# EAGLE board working (EAGLE 7.5.0), part 3 of 8
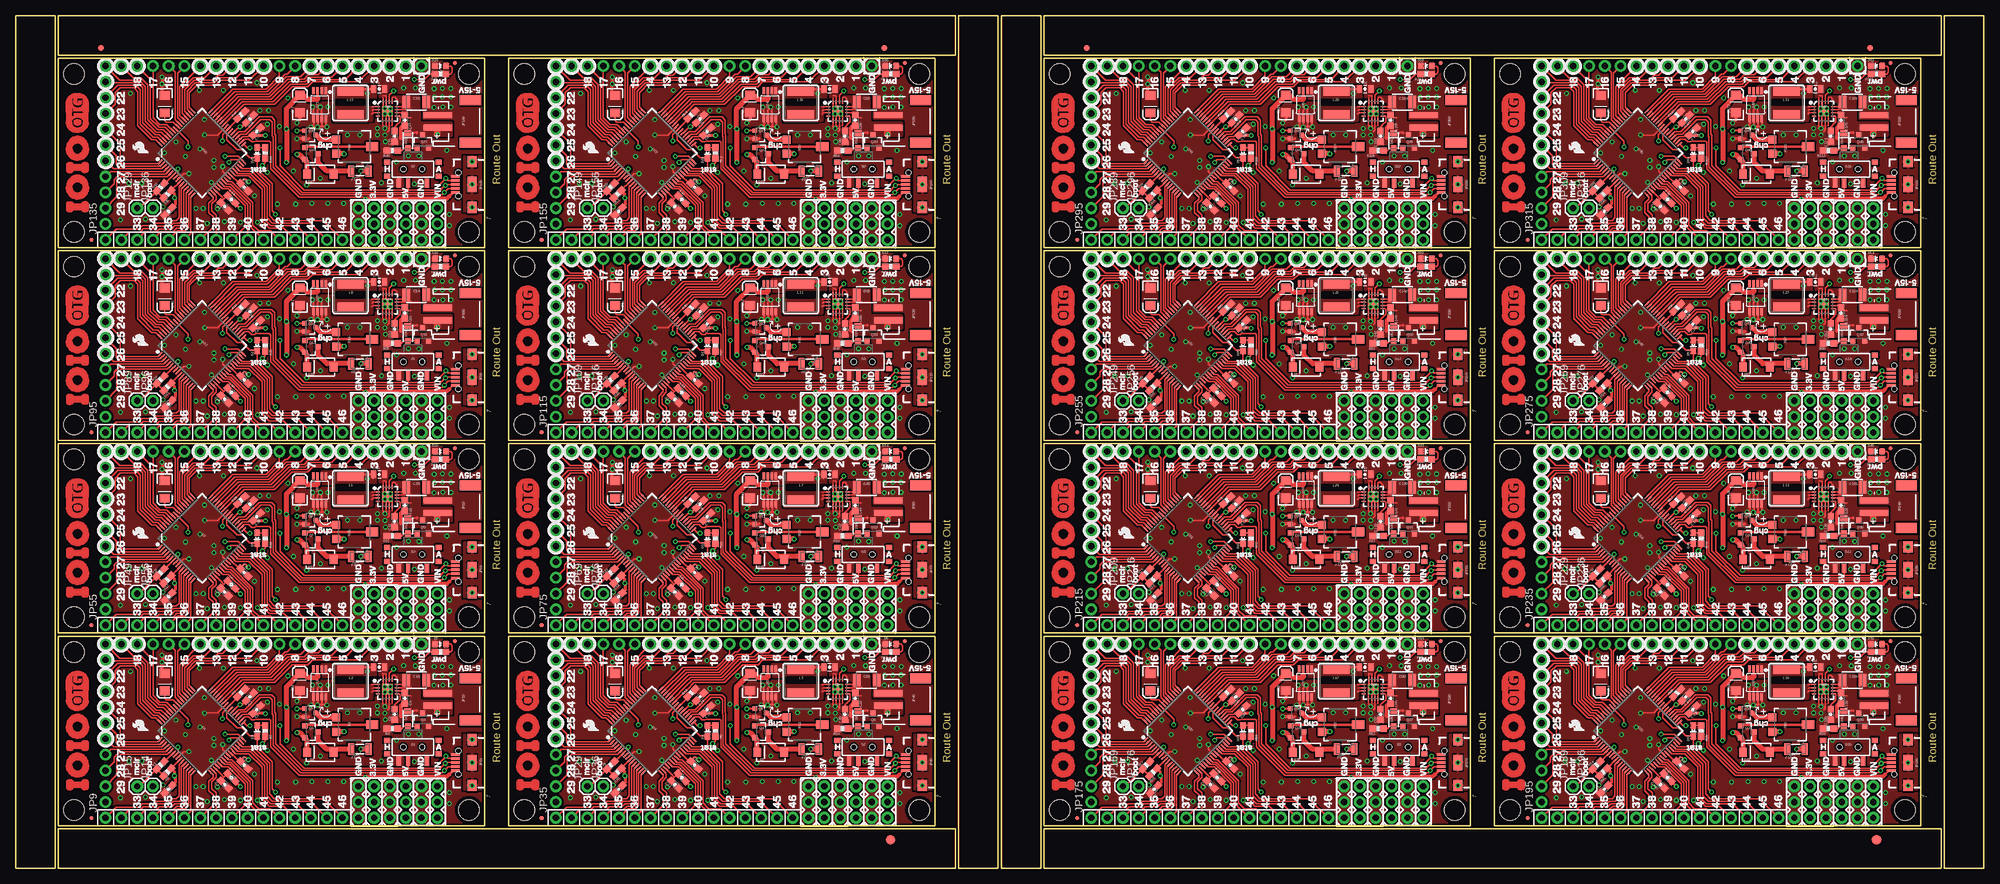
[diagram p0: board, top side]
## Nets
3.3V: C2.1 C3.1 C4.1 C5.1 C10.A JP2.1 JP2.2 JP2.3 L1.2 R1.2 R7.2 U1.10 U1.26 U1.35 U1.38 U1.57 U3.3
3.3V1: C13.1 C14.1 C15.1 C17.1 C18.A JP18.1 JP18.2 JP18.3 L4.2 R5.2 R6.2 U4.10 U4.26 U4.35 U4.38 U4.57 U6.3
3.3V2: C24.1 C25.1 C26.1 C28.1 C29.A JP41.1 JP41.2 JP41.3 L6.2 R15.2 R16.2 U7.10 U7.26 U7.35 U7.38 U7.57 U9.3
3.3V3: C35.1 C36.1 C37.1 C39.1 C40.A JP61.1 JP61.2 JP61.3 L8.2 R22.2 R23.2 U10.10 U10.26 U10.35 U10.38 U10.57 U12.3
3.3V4: C46.1 C47.1 C48.1 C50.1 C51.A JP81.1 JP81.2 JP81.3 L10.2 R29.2 R30.2 U13.10 U13.26 U13.35 U13.38 U13.57 U15.3
3.3V5: C57.1 C58.1 C59.1 C61.1 C62.A JP101.1 JP101.2 JP101.3 L12.2 R36.2 R37.2 U16.10 U16.26 U16.35 U16.38 U16.57 U18.3
3.3V6: C68.1 C69.1 C70.1 C72.1 C73.A JP121.1 JP121.2 JP121.3 L14.2 R43.2 R44.2 U19.10 U19.26 U19.35 U19.38 U19.57 U21.3
3.3V7: C79.1 C80.1 C81.1 C83.1 C84.A JP141.1 JP141.2 JP141.3 L16.2 R50.2 R51.2 U22.10 U22.26 U22.35 U22.38 U22.57 U24.3
3.3V8: C90.1 C91.1 C92.1 C94.1 C95.A JP161.1 JP161.2 JP161.3 L18.2 R57.2 R58.2 U25.10 U25.26 U25.35 U25.38 U25.57 U27.3
3.3V9: C101.1 C102.1 C103.1 C105.1 C106.A JP181.1 JP181.2 JP181.3 L20.2 R64.2 R65.2 U28.10 U28.26 U28.35 U28.38 U28.57 U30.3
3.3V10: C112.1 C113.1 C114.1 C116.1 C117.A JP201.1 JP201.2 JP201.3 L22.2 R71.2 R72.2 U31.10 U31.26 U31.35 U31.38 U31.57 U33.3
3.3V11: C123.1 C124.1 C125.1 C127.1 C128.A JP221.1 JP221.2 JP221.3 L24.2 R78.2 R79.2 U34.10 U34.26 U34.35 U34.38 U34.57 U36.3
3.3V12: C134.1 C135.1 C136.1 C138.1 C139.A JP241.1 JP241.2 JP241.3 L26.2 R85.2 R86.2 U37.10 U37.26 U37.35 U37.38 U37.57 U39.3
3.3V13: C145.1 C146.1 C147.1 C149.1 C150.A JP261.1 JP261.2 JP261.3 L28.2 R92.2 R93.2 U40.10 U40.26 U40.35 U40.38 U40.57 U42.3
3.3V14: C156.1 C157.1 C158.1 C160.1 C161.A JP281.1 JP281.2 JP281.3 L30.2 R99.2 R100.2 U43.10 U43.26 U43.35 U43.38 U43.57 U45.3
3.3V15: C167.1 C168.1 C169.1 C171.1 C172.A JP301.1 JP301.2 JP301.3 L32.2 R106.2 R107.2 U46.10 U46.26 U46.35 U46.38 U46.57 U48.3
5V: C6.1 D1.C JP4.1 JP4.2 JP4.3 L2.P$2 Q1.2 R3.A R9.2 U2.14 U3.1 U3.2
5V1: C19.1 D7.C JP23.1 JP23.2 JP23.3 L3.P$2 Q4.2 R11.2 R13.A U5.14 U6.1 U6.2
5V2: C30.1 D11.C JP43.1 JP43.2 JP43.3 L5.P$2 Q7.2 R18.2 R20.A U8.14 U9.1 U9.2
5V3: C41.1 D15.C JP63.1 JP63.2 JP63.3 L7.P$2 Q10.2 R25.2 R27.A U11.14 U12.1 U12.2
5V4: C52.1 D19.C JP83.1 JP83.2 JP83.3 L9.P$2 Q13.2 R32.2 R34.A U14.14 U15.1 U15.2
5V5: C63.1 D23.C JP103.1 JP103.2 JP103.3 L11.P$2 Q16.2 R39.2 R41.A U17.14 U18.1 U18.2
5V6: C74.1 D27.C JP123.1 JP123.2 JP123.3 L13.P$2 Q19.2 R46.2 R48.A U20.14 U21.1 U21.2
5V7: C85.1 D31.C JP143.1 JP143.2 JP143.3 L15.P$2 Q22.2 R53.2 R55.A U23.14 U24.1 U24.2
5V8: C96.1 D35.C JP163.1 JP163.2 JP163.3 L17.P$2 Q25.2 R60.2 R62.A U26.14 U27.1 U27.2
5V9: C107.1 D39.C JP183.1 JP183.2 JP183.3 L19.P$2 Q28.2 R67.2 R69.A U29.14 U30.1 U30.2
5V10: C118.1 D43.C JP203.1 JP203.2 JP203.3 L21.P$2 Q31.2 R74.2 R76.A U32.14 U33.1 U33.2
5V11: C129.1 D47.C JP223.1 JP223.2 JP223.3 L23.P$2 Q34.2 R81.2 R83.A U35.14 U36.1 U36.2
5V12: C140.1 D51.C JP243.1 JP243.2 JP243.3 L25.P$2 Q37.2 R88.2 R90.A U38.14 U39.1 U39.2
5V13: C151.1 D55.C JP263.1 JP263.2 JP263.3 L27.P$2 Q40.2 R95.2 R97.A U41.14 U42.1 U42.2
5V14: C162.1 D59.C JP283.1 JP283.2 JP283.3 L29.P$2 Q43.2 R102.2 R104.A U44.14 U45.1 U45.2
5V15: C173.1 D63.C JP303.1 JP303.2 JP303.3 L31.P$2 Q46.2 R109.2 R111.A U47.14 U48.1 U48.2
ANCHOR1: JP21.SHIELD1 JP21.SHIELD2 JP21.SHIELD3
ANCHOR2: JP39.SHIELD1 JP39.SHIELD2 JP39.SHIELD3
ANCHOR3: JP59.SHIELD1 JP59.SHIELD2 JP59.SHIELD3
ANCHOR4: JP79.SHIELD1 JP79.SHIELD2 JP79.SHIELD3
ANCHOR5: JP99.SHIELD1 JP99.SHIELD2 JP99.SHIELD3
ANCHOR6: JP119.SHIELD1 JP119.SHIELD2 JP119.SHIELD3
ANCHOR7: JP139.SHIELD1 JP139.SHIELD2 JP139.SHIELD3
ANCHOR8: JP159.SHIELD1 JP159.SHIELD2 JP159.SHIELD3
ANCHOR9: JP179.SHIELD1 JP179.SHIELD2 JP179.SHIELD3
ANCHOR10: JP199.SHIELD1 JP199.SHIELD2 JP199.SHIELD3
ANCHOR11: JP219.SHIELD1 JP219.SHIELD2 JP219.SHIELD3
ANCHOR12: JP239.SHIELD1 JP239.SHIELD2 JP239.SHIELD3
ANCHOR13: JP259.SHIELD1 JP259.SHIELD2 JP259.SHIELD3
ANCHOR14: JP279.SHIELD1 JP279.SHIELD2 JP279.SHIELD3
ANCHOR15: JP299.SHIELD1 JP299.SHIELD2 JP299.SHIELD3
ANCHOR16: JP319.SHIELD1 JP319.SHIELD2 JP319.SHIELD3
BOOT: D3.C JP14.1 U1.39
BOOT1: D4.C JP36.1 U4.39
BOOT2: D9.C JP56.1 U7.39
BOOT3: D13.C JP76.1 U10.39
BOOT4: D17.C JP96.1 U13.39
BOOT5: D21.C JP116.1 U16.39
BOOT6: D25.C JP136.1 U19.39
BOOT7: D29.C JP156.1 U22.39
BOOT8: D33.C JP176.1 U25.39
BOOT9: D37.C JP196.1 U28.39
BOOT10: D41.C JP216.1 U31.39
BOOT11: D45.C JP236.1 U34.39
BOOT12: D49.C JP256.1 U37.39
BOOT13: D53.C JP276.1 U40.39
BOOT14: D57.C JP296.1 U43.39
BOOT15: D61.C JP316.1 U46.39
D+: JP21.D+1 TP2.P$1 U1.37
D+1: JP39.D+1 TP5.P$1 U4.37
D+2: JP59.D+1 TP8.P$1 U7.37
D+3: JP79.D+1 TP11.P$1 U10.37
D+4: JP99.D+1 TP14.P$1 U13.37
D+5: JP119.D+1 TP17.P$1 U16.37
D+6: JP139.D+1 TP20.P$1 U19.37
D+7: JP159.D+1 TP23.P$1 U22.37
D+8: JP179.D+1 TP26.P$1 U25.37
D+9: JP199.D+1 TP29.P$1 U28.37
D+10: JP219.D+1 TP32.P$1 U31.37
D+11: JP239.D+1 TP35.P$1 U34.37
D+12: JP259.D+1 TP38.P$1 U37.37
D+13: JP279.D+1 TP41.P$1 U40.37
D+14: JP299.D+1 TP44.P$1 U43.37
D+15: JP319.D+1 TP47.P$1 U46.37
D-: JP21.D-1 TP3.P$1 U1.36
D-1: JP39.D-1 TP6.P$1 U4.36
D-2: JP59.D-1 TP9.P$1 U7.36
D-3: JP79.D-1 TP12.P$1 U10.36
D-4: JP99.D-1 TP15.P$1 U13.36
D-5: JP119.D-1 TP18.P$1 U16.36
D-6: JP139.D-1 TP21.P$1 U19.36
D-7: JP159.D-1 TP24.P$1 U22.36
D-8: JP179.D-1 TP27.P$1 U25.36
D-9: JP199.D-1 TP30.P$1 U28.36
D-10: JP219.D-1 TP33.P$1 U31.36
D-11: JP239.D-1 TP36.P$1 U34.36
D-12: JP259.D-1 TP39.P$1 U37.36
D-13: JP279.D-1 TP42.P$1 U40.36
D-14: JP299.D-1 TP45.P$1 U43.36
D-15: JP319.D-1 TP48.P$1 U46.36
GND: C1.2 C2.2 C3.2 C4.2 C5.2 C6.2 C7.C C8.2 C9.2 C10.C C11.2 D5.C JP3.1 JP5.1 JP5.2 JP5.3 JP6.1 JP6.2 JP6.3 JP17.1 JP17.2 JP17.3 JP19.1 JP21.GND1 Q2.2 Q3.2 R2.2 R4.2 S1.S U1.9 U1.20 U1.25 U1.41 U2.5 U2.6 U2.7 U2.8 U2.15 U2.16 U2.EXT U3.5 U3.6 U3.7 U3.8
GND1: C12.2 C13.2 C14.2 C15.2 C16.C C17.2 C18.C C19.2 C20.2 C21.2 C22.2 D6.C JP22.1 JP22.2 JP22.3 JP28.1 JP28.2 JP28.3 JP30.1 JP30.2 JP30.3 JP34.1 JP39.GND1 JP40.1 Q5.2 Q6.2 R12.2 R14.2 S2.S U4.9 U4.20 U4.25 U4.41 U5.5 U5.6 U5.7 U5.8 U5.15 U5.16 U5.EXT U6.5 U6.6 U6.7 U6.8
GND2: C23.2 C24.2 C25.2 C26.2 C27.C C28.2 C29.C C30.2 C31.2 C32.2 C33.2 D10.C JP42.1 JP42.2 JP42.3 JP48.1 JP48.2 JP48.3 JP50.1 JP50.2 JP50.3 JP54.1 JP59.GND1 JP60.1 Q8.2 Q9.2 R19.2 R21.2 S3.S U7.9 U7.20 U7.25 U7.41 U8.5 U8.6 U8.7 U8.8 U8.15 U8.16 U8.EXT U9.5 U9.6 U9.7 U9.8
GND3: C34.2 C35.2 C36.2 C37.2 C38.C C39.2 C40.C C41.2 C42.2 C43.2 C44.2 D14.C JP62.1 JP62.2 JP62.3 JP68.1 JP68.2 JP68.3 JP70.1 JP70.2 JP70.3 JP74.1 JP79.GND1 JP80.1 Q11.2 Q12.2 R26.2 R28.2 S4.S U10.9 U10.20 U10.25 U10.41 U11.5 U11.6 U11.7 U11.8 U11.15 U11.16 U11.EXT U12.5 U12.6 U12.7 U12.8
GND4: C45.2 C46.2 C47.2 C48.2 C49.C C50.2 C51.C C52.2 C53.2 C54.2 C55.2 D18.C JP82.1 JP82.2 JP82.3 JP88.1 JP88.2 JP88.3 JP90.1 JP90.2 JP90.3 JP94.1 JP99.GND1 JP100.1 Q14.2 Q15.2 R33.2 R35.2 S5.S U13.9 U13.20 U13.25 U13.41 U14.5 U14.6 U14.7 U14.8 U14.15 U14.16 U14.EXT U15.5 U15.6 U15.7 U15.8
GND5: C56.2 C57.2 C58.2 C59.2 C60.C C61.2 C62.C C63.2 C64.2 C65.2 C66.2 D22.C JP102.1 JP102.2 JP102.3 JP108.1 JP108.2 JP108.3 JP110.1 JP110.2 JP110.3 JP114.1 JP119.GND1 JP120.1 Q17.2 Q18.2 R40.2 R42.2 S6.S U16.9 U16.20 U16.25 U16.41 U17.5 U17.6 U17.7 U17.8 U17.15 U17.16 U17.EXT U18.5 U18.6 U18.7 U18.8
GND6: C67.2 C68.2 C69.2 C70.2 C71.C C72.2 C73.C C74.2 C75.2 C76.2 C77.2 D26.C JP122.1 JP122.2 JP122.3 JP128.1 JP128.2 JP128.3 JP130.1 JP130.2 JP130.3 JP134.1 JP139.GND1 JP140.1 Q20.2 Q21.2 R47.2 R49.2 S7.S U19.9 U19.20 U19.25 U19.41 U20.5 U20.6 U20.7 U20.8 U20.15 U20.16 U20.EXT U21.5 U21.6 U21.7 U21.8
GND7: C78.2 C79.2 C80.2 C81.2 C82.C C83.2 C84.C C85.2 C86.2 C87.2 C88.2 D30.C JP142.1 JP142.2 JP142.3 JP148.1 JP148.2 JP148.3 JP150.1 JP150.2 JP150.3 JP154.1 JP159.GND1 JP160.1 Q23.2 Q24.2 R54.2 R56.2 S8.S U22.9 U22.20 U22.25 U22.41 U23.5 U23.6 U23.7 U23.8 U23.15 U23.16 U23.EXT U24.5 U24.6 U24.7 U24.8
GND8: C89.2 C90.2 C91.2 C92.2 C93.C C94.2 C95.C C96.2 C97.2 C98.2 C99.2 D34.C JP162.1 JP162.2 JP162.3 JP168.1 JP168.2 JP168.3 JP170.1 JP170.2 JP170.3 JP174.1 JP179.GND1 JP180.1 Q26.2 Q27.2 R61.2 R63.2 S9.S U25.9 U25.20 U25.25 U25.41 U26.5 U26.6 U26.7 U26.8 U26.15 U26.16 U26.EXT U27.5 U27.6 U27.7 U27.8
GND9: C100.2 C101.2 C102.2 C103.2 C104.C C105.2 C106.C C107.2 C108.2 C109.2 C110.2 D38.C JP182.1 JP182.2 JP182.3 JP188.1 JP188.2 JP188.3 JP190.1 JP190.2 JP190.3 JP194.1 JP199.GND1 JP200.1 Q29.2 Q30.2 R68.2 R70.2 S10.S U28.9 U28.20 U28.25 U28.41 U29.5 U29.6 U29.7 U29.8 U29.15 U29.16 U29.EXT U30.5 U30.6 U30.7 U30.8
GND10: C111.2 C112.2 C113.2 C114.2 C115.C C116.2 C117.C C118.2 C119.2 C120.2 C121.2 D42.C JP202.1 JP202.2 JP202.3 JP208.1 JP208.2 JP208.3 JP210.1 JP210.2 JP210.3 JP214.1 JP219.GND1 JP220.1 Q32.2 Q33.2 R75.2 R77.2 S11.S U31.9 U31.20 U31.25 U31.41 U32.5 U32.6 U32.7 U32.8 U32.15 U32.16 U32.EXT U33.5 U33.6 U33.7 U33.8
GND11: C122.2 C123.2 C124.2 C125.2 C126.C C127.2 C128.C C129.2 C130.2 C131.2 C132.2 D46.C JP222.1 JP222.2 JP222.3 JP228.1 JP228.2 JP228.3 JP230.1 JP230.2 JP230.3 JP234.1 JP239.GND1 JP240.1 Q35.2 Q36.2 R82.2 R84.2 S12.S U34.9 U34.20 U34.25 U34.41 U35.5 U35.6 U35.7 U35.8 U35.15 U35.16 U35.EXT U36.5 U36.6 U36.7 U36.8
GND12: C133.2 C134.2 C135.2 C136.2 C137.C C138.2 C139.C C140.2 C141.2 C142.2 C143.2 D50.C JP242.1 JP242.2 JP242.3 JP248.1 JP248.2 JP248.3 JP250.1 JP250.2 JP250.3 JP254.1 JP259.GND1 JP260.1 Q38.2 Q39.2 R89.2 R91.2 S13.S U37.9 U37.20 U37.25 U37.41 U38.5 U38.6 U38.7 U38.8 U38.15 U38.16 U38.EXT U39.5 U39.6 U39.7 U39.8
GND13: C144.2 C145.2 C146.2 C147.2 C148.C C149.2 C150.C C151.2 C152.2 C153.2 C154.2 D54.C JP262.1 JP262.2 JP262.3 JP268.1 JP268.2 JP268.3 JP270.1 JP270.2 JP270.3 JP274.1 JP279.GND1 JP280.1 Q41.2 Q42.2 R96.2 R98.2 S14.S U40.9 U40.20 U40.25 U40.41 U41.5 U41.6 U41.7 U41.8 U41.15 U41.16 U41.EXT U42.5 U42.6 U42.7 U42.8
GND14: C155.2 C156.2 C157.2 C158.2 C159.C C160.2 C161.C C162.2 C163.2 C164.2 C165.2 D58.C JP282.1 JP282.2 JP282.3 JP288.1 JP288.2 JP288.3 JP290.1 JP290.2 JP290.3 JP294.1 JP299.GND1 JP300.1 Q44.2 Q45.2 R103.2 R105.2 S15.S U43.9 U43.20 U43.25 U43.41 U44.5 U44.6 U44.7 U44.8 U44.15 U44.16 U44.EXT U45.5 U45.6 U45.7 U45.8
GND15: C166.2 C167.2 C168.2 C169.2 C170.C C171.2 C172.C C173.2 C174.2 C175.2 C176.2 D62.C JP302.1 JP302.2 JP302.3 JP308.1 JP308.2 JP308.3 JP310.1 JP310.2 JP310.3 JP314.1 JP319.GND1 JP320.1 Q47.2 Q48.2 R110.2 R112.2 S16.S U46.9 U46.20 U46.25 U46.41 U47.5 U47.6 U47.7 U47.8 U47.15 U47.16 U47.EXT U48.5 U48.6 U48.7 U48.8
HOST: Q2.1 R2.1 U1.40
HOST1: Q5.1 R12.1 U4.40
HOST2: Q8.1 R19.1 U7.40
HOST3: Q11.1 R26.1 U10.40
HOST4: Q14.1 R33.1 U13.40
HOST5: Q17.1 R40.1 U16.40
HOST6: Q20.1 R47.1 U19.40
HOST7: Q23.1 R54.1 U22.40
HOST8: Q26.1 R61.1 U25.40
HOST9: Q29.1 R68.1 U28.40
HOST10: Q32.1 R75.1 U31.40
HOST11: Q35.1 R82.1 U34.40
HOST12: Q38.1 R89.1 U37.40
HOST13: Q41.1 R96.1 U40.40
HOST14: Q44.1 R103.1 U43.40
HOST15: Q47.1 R110.1 U46.40
MCLR: R8.1 U1.7
MCLR1: R10.1 U4.7
MCLR2: R17.1 U7.7
MCLR3: R24.1 U10.7
MCLR4: R31.1 U13.7
MCLR5: R38.1 U16.7
MCLR6: R45.1 U19.7
MCLR7: R52.1 U22.7
MCLR8: R59.1 U25.7
MCLR9: R66.1 U28.7
MCLR10: R73.1 U31.7
MCLR11: R80.1 U34.7
MCLR12: R87.1 U37.7
MCLR13: R94.1 U40.7
MCLR14: R101.1 U43.7
MCLR15: R108.1 U46.7
N$1: Q1.1 R3.B
N$2: D3.A R7.1
N$3: D5.A R9.1
N$4: D1.A F1.2 Q1.3
N$5: C7.A U1.56
N$6: L2.P$1 U2.1 U2.2 U2.3
N$7: C8.1 U2.9
N$8: Q2.3 R3.C
N$9: C1.1 L1.1 U1.19
N$10: C16.A U4.56
N$11: D4.A R6.1
N$12: D2.A Q3.1 R4.1
N$13: D6.A R11.1
N$14: D7.A F2.2 Q4.3
N$15: C20.1 U5.9
N$16: L3.P$1 U5.1 U5.2 U5.3
N$17: C12.1 L4.1 U4.19
N$18: Q4.1 R13.B
N$19: Q5.3 R13.C
N$20: D8.A Q6.1 R14.1
N$21: C27.A U7.56
N$22: D9.A R16.1
N$23: D10.A R18.1
N$24: D11.A F3.2 Q7.3
N$25: C31.1 U8.9
N$26: L5.P$1 U8.1 U8.2 U8.3
N$27: C23.1 L6.1 U7.19
N$28: Q7.1 R20.B
N$29: Q8.3 R20.C
N$30: D12.A Q9.1 R21.1
N$31: C38.A U10.56
N$32: D13.A R23.1
N$33: D14.A R25.1
N$34: D15.A F4.2 Q10.3
N$35: C42.1 U11.9
N$36: L7.P$1 U11.1 U11.2 U11.3
N$37: C34.1 L8.1 U10.19
N$38: Q10.1 R27.B
N$39: Q11.3 R27.C
N$40: D16.A Q12.1 R28.1
N$41: C49.A U13.56
N$42: D17.A R30.1
N$43: D18.A R32.1
N$44: D19.A F5.2 Q13.3
N$45: C53.1 U14.9
N$46: L9.P$1 U14.1 U14.2 U14.3
N$47: C45.1 L10.1 U13.19
N$48: Q13.1 R34.B
N$49: Q14.3 R34.C
N$50: D20.A Q15.1 R35.1
N$51: C60.A U16.56
N$52: D21.A R37.1
N$53: D22.A R39.1
N$54: D23.A F6.2 Q16.3
N$55: C64.1 U17.9
N$56: L11.P$1 U17.1 U17.2 U17.3
N$57: C56.1 L12.1 U16.19
N$58: Q16.1 R41.B
N$59: Q17.3 R41.C
N$60: D24.A Q18.1 R42.1
N$61: C71.A U19.56
N$62: D25.A R44.1
N$63: D26.A R46.1
N$64: D27.A F7.2 Q19.3
N$65: C75.1 U20.9
N$66: L13.P$1 U20.1 U20.2 U20.3
N$67: C67.1 L14.1 U19.19
N$68: Q19.1 R48.B
N$69: Q20.3 R48.C
N$70: D28.A Q21.1 R49.1
N$71: C82.A U22.56
N$72: D29.A R51.1
N$73: D30.A R53.1
N$74: D31.A F8.2 Q22.3
N$75: C86.1 U23.9
N$76: L15.P$1 U23.1 U23.2 U23.3
N$77: C78.1 L16.1 U22.19
N$78: Q22.1 R55.B
N$79: Q23.3 R55.C
N$80: D32.A Q24.1 R56.1
N$81: C93.A U25.56
N$82: D33.A R58.1
N$83: D34.A R60.1
N$84: D35.A F9.2 Q25.3
N$85: C97.1 U26.9
N$86: L17.P$1 U26.1 U26.2 U26.3
N$87: C89.1 L18.1 U25.19
N$88: Q25.1 R62.B
N$89: Q26.3 R62.C
N$90: D36.A Q27.1 R63.1
N$91: C104.A U28.56
N$92: D37.A R65.1
N$93: D38.A R67.1
N$94: D39.A F10.2 Q28.3
N$95: C108.1 U29.9
N$96: L19.P$1 U29.1 U29.2 U29.3
N$97: C100.1 L20.1 U28.19
N$98: Q28.1 R69.B
N$99: Q29.3 R69.C
N$100: D40.A Q30.1 R70.1
N$101: C115.A U31.56
N$102: D41.A R72.1
N$103: D42.A R74.1
N$104: D43.A F11.2 Q31.3
N$105: C119.1 U32.9
N$106: L21.P$1 U32.1 U32.2 U32.3
N$107: C111.1 L22.1 U31.19
N$108: Q31.1 R76.B
N$109: Q32.3 R76.C
N$110: D44.A Q33.1 R77.1
N$111: C126.A U34.56
N$112: D45.A R79.1
N$113: D46.A R81.1
N$114: D47.A F12.2 Q34.3
N$115: C130.1 U35.9
N$116: L23.P$1 U35.1 U35.2 U35.3
N$117: C122.1 L24.1 U34.19
N$118: Q34.1 R83.B
N$119: Q35.3 R83.C
N$120: D48.A Q36.1 R84.1
N$121: C137.A U37.56
N$122: D49.A R86.1
N$123: D50.A R88.1
N$124: D51.A F13.2 Q37.3
N$125: C141.1 U38.9
N$126: L25.P$1 U38.1 U38.2 U38.3
N$127: C133.1 L26.1 U37.19
N$128: Q37.1 R90.B
N$129: Q38.3 R90.C
N$130: D52.A Q39.1 R91.1
N$131: C148.A U40.56
N$132: D53.A R93.1
N$133: D54.A R95.1
N$134: D55.A F14.2 Q40.3
N$135: C152.1 U41.9
N$136: L27.P$1 U41.1 U41.2 U41.3
N$137: C144.1 L28.1 U40.19
N$138: Q40.1 R97.B
N$139: Q41.3 R97.C
N$140: D56.A Q42.1 R98.1
N$141: C159.A U43.56
N$142: D57.A R100.1
N$143: D58.A R102.1
N$144: D59.A F15.2 Q43.3
N$145: C163.1 U44.9
N$146: L29.P$1 U44.1 U44.2 U44.3
N$147: C155.1 L30.1 U43.19
N$148: Q43.1 R104.B
N$149: Q44.3 R104.C
N$150: D60.A Q45.1 R105.1
N$151: C170.A U46.56
N$152: D61.A R107.1
N$153: D62.A R109.1
N$154: D63.A F16.2 Q46.3
N$155: C174.1 U47.9
N$156: L31.P$1 U47.1 U47.2 U47.3
N$157: C166.1 L32.1 U46.19
N$158: Q46.1 R111.B
N$159: Q47.3 R111.C
N$160: D64.A Q48.1 R112.1
P1: JP29.1 R5.1 R10.2
P2: JP49.1 R15.1 R17.2
P3: JP69.1 R22.1 R24.2
P4: JP89.1 R29.1 R31.2
P5: JP109.1 R36.1 R38.2
P6: JP129.1 R43.1 R45.2
P7: JP15.1 R1.1 R8.2
P8: JP149.1 R50.1 R52.2
P9: JP169.1 R57.1 R59.2
P10: JP189.1 R64.1 R66.2
P11: JP209.1 R71.1 R73.2
P12: JP229.1 R78.1 R80.2
P13: JP249.1 R85.1 R87.2
P14: JP269.1 R92.1 R94.2
P15: JP289.1 R99.1 R101.2
P16: JP309.1 R106.1 R108.2
PIN1: JP20.1 U1.31
PIN2: JP20.2 U1.32
PIN3: JP20.3 U1.42
PIN4: JP20.4 U1.43
PIN5: JP20.5 U1.44
PIN6: JP20.6 U1.45
PIN7: JP20.7 U1.46
PIN8: JP20.8 U1.47
PIN9: JP20.9 U1.48
PIN10: JP20.10 U1.49
PIN11: JP20.11 U1.50
PIN12: JP20.12 U1.51
PIN13: JP20.13 U1.52
PIN14: JP20.14 U1.53
PIN15: JP20.15 U1.54
PIN16: JP20.16 U1.55
PIN17: JP20.17 U1.58
PIN18: JP20.18 U1.59
PIN19: JP20.19 U1.60
PIN20: JP9.11 U1.61
PIN21: JP9.10 U1.62
PIN22: JP9.9 U1.63
PIN23: JP9.8 U1.64
PIN24: JP9.7 U1.1
PIN25: JP9.6 U1.2
PIN26: JP9.5 U1.3
PIN27: JP9.4 U1.4
PIN28: JP9.3 U1.5
PIN29: JP9.2 U1.6
PIN30: JP9.1 U1.8
PIN31: JP7.16 U1.11
PIN32: JP7.15 U1.12
PIN33: JP7.14 U1.13
PIN34: JP7.13 U1.14
PIN35: JP7.12 U1.15
PIN36: JP7.11 U1.16
PIN37: JP7.10 U1.17
PIN38: JP7.9 U1.18
PIN39: JP7.8 U1.21
PIN40: JP7.7 U1.22
PIN41: JP7.6 U1.23
PIN42: JP7.5 U1.24
PIN43: JP7.4 U1.27
PIN44: JP7.3 U1.28
PIN45: JP7.2 U1.29
PIN46: JP7.1 U1.30
PIN47: JP32.2 U4.32
PIN48: JP32.1 U4.31
PIN49: JP32.13 U4.52
PIN50: JP31.2 U4.29
PIN51: JP31.5 U4.24
PIN52: JP31.6 U4.23
PIN53: JP31.8 U4.21
PIN54: JP31.16 U4.11
PIN55: JP31.15 U4.12
PIN56: JP31.14 U4.13
PIN57: JP31.13 U4.14
PIN58: JP31.12 U4.15
PIN59: JP31.11 U4.16
PIN60: JP32.9 U4.48
PIN61: JP35.1 U4.8
PIN62: JP35.2 U4.6
PIN63: JP35.3 U4.5
PIN64: JP35.4 U4.4
PIN65: JP31.10 U4.17
PIN66: JP31.9 U4.18
PIN67: JP31.7 U4.22
PIN68: JP31.4 U4.27
PIN69: JP31.3 U4.28
PIN70: JP31.1 U4.30
PIN71: JP32.8 U4.47
PIN72: JP32.18 U4.59
PIN73: JP32.17 U4.58
PIN74: JP35.5 U4.3
PIN75: JP35.6 U4.2
PIN76: JP35.7 U4.1
PIN77: JP35.8 U4.64
PIN78: JP35.9 U4.63
PIN79: JP35.10 U4.62
PIN80: JP35.11 U4.61
PIN81: JP32.19 U4.60
PIN82: JP32.6 U4.45
PIN83: JP32.5 U4.44
PIN84: JP32.4 U4.43
PIN85: JP32.3 U4.42
PIN86: JP32.16 U4.55
PIN87: JP32.15 U4.54
PIN88: JP32.14 U4.53
PIN89: JP32.12 U4.51
PIN90: JP32.11 U4.50
PIN91: JP32.10 U4.49
PIN92: JP32.7 U4.46
PIN93: JP52.2 U7.32
PIN94: JP52.1 U7.31
PIN95: JP52.13 U7.52
PIN96: JP51.2 U7.29
PIN97: JP51.5 U7.24
PIN98: JP51.6 U7.23
PIN99: JP51.8 U7.21
PIN100: JP51.16 U7.11
PIN101: JP51.15 U7.12
PIN102: JP51.14 U7.13
PIN103: JP51.13 U7.14
PIN104: JP51.12 U7.15
PIN105: JP51.11 U7.16
PIN106: JP52.9 U7.48
PIN107: JP55.1 U7.8
PIN108: JP55.2 U7.6
PIN109: JP55.3 U7.5
PIN110: JP55.4 U7.4
PIN111: JP51.10 U7.17
PIN112: JP51.9 U7.18
PIN113: JP51.7 U7.22
PIN114: JP51.4 U7.27
PIN115: JP51.3 U7.28
PIN116: JP51.1 U7.30
PIN117: JP52.8 U7.47
PIN118: JP52.18 U7.59
PIN119: JP52.17 U7.58
PIN120: JP55.5 U7.3
PIN121: JP55.6 U7.2
PIN122: JP55.7 U7.1
PIN123: JP55.8 U7.64
PIN124: JP55.9 U7.63
PIN125: JP55.10 U7.62
PIN126: JP55.11 U7.61
PIN127: JP52.19 U7.60
PIN128: JP52.6 U7.45
PIN129: JP52.5 U7.44
PIN130: JP52.4 U7.43
PIN131: JP52.3 U7.42
PIN132: JP52.16 U7.55
PIN133: JP52.15 U7.54
PIN134: JP52.14 U7.53
PIN135: JP52.12 U7.51
PIN136: JP52.11 U7.50
PIN137: JP52.10 U7.49
PIN138: JP52.7 U7.46
PIN139: JP72.2 U10.32
PIN140: JP72.1 U10.31
PIN141: JP72.13 U10.52
PIN142: JP71.2 U10.29
PIN143: JP71.5 U10.24
PIN144: JP71.6 U10.23
PIN145: JP71.8 U10.21
PIN146: JP71.16 U10.11
PIN147: JP71.15 U10.12
PIN148: JP71.14 U10.13
PIN149: JP71.13 U10.14
PIN150: JP71.12 U10.15
PIN151: JP71.11 U10.16
PIN152: JP72.9 U10.48
PIN153: JP75.1 U10.8
PIN154: JP75.2 U10.6
PIN155: JP75.3 U10.5
PIN156: JP75.4 U10.4
PIN157: JP71.10 U10.17
PIN158: JP71.9 U10.18
PIN159: JP71.7 U10.22
PIN160: JP71.4 U10.27
PIN161: JP71.3 U10.28
PIN162: JP71.1 U10.30
PIN163: JP72.8 U10.47
PIN164: JP72.18 U10.59
PIN165: JP72.17 U10.58
PIN166: JP75.5 U10.3
PIN167: JP75.6 U10.2
PIN168: JP75.7 U10.1
PIN169: JP75.8 U10.64
PIN170: JP75.9 U10.63
PIN171: JP75.10 U10.62
PIN172: JP75.11 U10.61
PIN173: JP72.19 U10.60
PIN174: JP72.6 U10.45
PIN175: JP72.5 U10.44
PIN176: JP72.4 U10.43
PIN177: JP72.3 U10.42
PIN178: JP72.16 U10.55
PIN179: JP72.15 U10.54
PIN180: JP72.14 U10.53
PIN181: JP72.12 U10.51
PIN182: JP72.11 U10.50
PIN183: JP72.10 U10.49
PIN184: JP72.7 U10.46
PIN185: JP92.2 U13.32
PIN186: JP92.1 U13.31
PIN187: JP92.13 U13.52
PIN188: JP91.2 U13.29
PIN189: JP91.5 U13.24
PIN190: JP91.6 U13.23
PIN191: JP91.8 U13.21
PIN192: JP91.16 U13.11
PIN193: JP91.15 U13.12
PIN194: JP91.14 U13.13
PIN195: JP91.13 U13.14
PIN196: JP91.12 U13.15
PIN197: JP91.11 U13.16
PIN198: JP92.9 U13.48
PIN199: JP95.1 U13.8
PIN200: JP95.2 U13.6
PIN201: JP95.3 U13.5
PIN202: JP95.4 U13.4
PIN203: JP91.10 U13.17
PIN204: JP91.9 U13.18
PIN205: JP91.7 U13.22
PIN206: JP91.4 U13.27
PIN207: JP91.3 U13.28
PIN208: JP91.1 U13.30
PIN209: JP92.8 U13.47
PIN210: JP92.18 U13.59
PIN211: JP92.17 U13.58
PIN212: JP95.5 U13.3
PIN213: JP95.6 U13.2
PIN214: JP95.7 U13.1
PIN215: JP95.8 U13.64
PIN216: JP95.9 U13.63
PIN217: JP95.10 U13.62
PIN218: JP95.11 U13.61
PIN219: JP92.19 U13.60
PIN220: JP92.6 U13.45
PIN221: JP92.5 U13.44
PIN222: JP92.4 U13.43
PIN223: JP92.3 U13.42
PIN224: JP92.16 U13.55
PIN225: JP92.15 U13.54
PIN226: JP92.14 U13.53
PIN227: JP92.12 U13.51
PIN228: JP92.11 U13.50
PIN229: JP92.10 U13.49
PIN230: JP92.7 U13.46
PIN231: JP112.2 U16.32
PIN232: JP112.1 U16.31
PIN233: JP112.13 U16.52
PIN234: JP111.2 U16.29
PIN235: JP111.5 U16.24
PIN236: JP111.6 U16.23
PIN237: JP111.8 U16.21
PIN238: JP111.16 U16.11
PIN239: JP111.15 U16.12
PIN240: JP111.14 U16.13
PIN241: JP111.13 U16.14
PIN242: JP111.12 U16.15
PIN243: JP111.11 U16.16
PIN244: JP112.9 U16.48
PIN245: JP115.1 U16.8
PIN246: JP115.2 U16.6
PIN247: JP115.3 U16.5
PIN248: JP115.4 U16.4
PIN249: JP111.10 U16.17
PIN250: JP111.9 U16.18
PIN251: JP111.7 U16.22
PIN252: JP111.4 U16.27
PIN253: JP111.3 U16.28
PIN254: JP111.1 U16.30
PIN255: JP112.8 U16.47
PIN256: JP112.18 U16.59
PIN257: JP112.17 U16.58
PIN258: JP115.5 U16.3
PIN259: JP115.6 U16.2
PIN260: JP115.7 U16.1
PIN261: JP115.8 U16.64
PIN262: JP115.9 U16.63
PIN263: JP115.10 U16.62
PIN264: JP115.11 U16.61
PIN265: JP112.19 U16.60
PIN266: JP112.6 U16.45
PIN267: JP112.5 U16.44
PIN268: JP112.4 U16.43
PIN269: JP112.3 U16.42
PIN270: JP112.16 U16.55
PIN271: JP112.15 U16.54
PIN272: JP112.14 U16.53
PIN273: JP112.12 U16.51
PIN274: JP112.11 U16.50
PIN275: JP112.10 U16.49
PIN276: JP112.7 U16.46
PIN277: JP132.2 U19.32
PIN278: JP132.1 U19.31
PIN279: JP132.13 U19.52
PIN280: JP131.2 U19.29
PIN281: JP131.5 U19.24
PIN282: JP131.6 U19.23
PIN283: JP131.8 U19.21
PIN284: JP131.16 U19.11
PIN285: JP131.15 U19.12
PIN286: JP131.14 U19.13
PIN287: JP131.13 U19.14
PIN288: JP131.12 U19.15
PIN289: JP131.11 U19.16
PIN290: JP132.9 U19.48
PIN291: JP135.1 U19.8
PIN292: JP135.2 U19.6
PIN293: JP135.3 U19.5
PIN294: JP135.4 U19.4
PIN295: JP131.10 U19.17
PIN296: JP131.9 U19.18
PIN297: JP131.7 U19.22
PIN298: JP131.4 U19.27
PIN299: JP131.3 U19.28
PIN300: JP131.1 U19.30
PIN301: JP132.8 U19.47
PIN302: JP132.18 U19.59
PIN303: JP132.17 U19.58
PIN304: JP135.5 U19.3
PIN305: JP135.6 U19.2
PIN306: JP135.7 U19.1
PIN307: JP135.8 U19.64
PIN308: JP135.9 U19.63
PIN309: JP135.10 U19.62
PIN310: JP135.11 U19.61
PIN311: JP132.19 U19.60
PIN312: JP132.6 U19.45
PIN313: JP132.5 U19.44
PIN314: JP132.4 U19.43
PIN315: JP132.3 U19.42
PIN316: JP132.16 U19.55
PIN317: JP132.15 U19.54
PIN318: JP132.14 U19.53
PIN319: JP132.12 U19.51
PIN320: JP132.11 U19.50
PIN321: JP132.10 U19.49
PIN322: JP132.7 U19.46
PIN323: JP152.2 U22.32
PIN324: JP152.1 U22.31
PIN325: JP152.13 U22.52
PIN326: JP151.2 U22.29
PIN327: JP151.5 U22.24
PIN328: JP151.6 U22.23
PIN329: JP151.8 U22.21
PIN330: JP151.16 U22.11
PIN331: JP151.15 U22.12
PIN332: JP151.14 U22.13
PIN333: JP151.13 U22.14
PIN334: JP151.12 U22.15
PIN335: JP151.11 U22.16
PIN336: JP152.9 U22.48
PIN337: JP155.1 U22.8
PIN338: JP155.2 U22.6
PIN339: JP155.3 U22.5
PIN340: JP155.4 U22.4
PIN341: JP151.10 U22.17
PIN342: JP151.9 U22.18
PIN343: JP151.7 U22.22
PIN344: JP151.4 U22.27
PIN345: JP151.3 U22.28
PIN346: JP151.1 U22.30
PIN347: JP152.8 U22.47
PIN348: JP152.18 U22.59
PIN349: JP152.17 U22.58
PIN350: JP155.5 U22.3
PIN351: JP155.6 U22.2
PIN352: JP155.7 U22.1
PIN353: JP155.8 U22.64
PIN354: JP155.9 U22.63
PIN355: JP155.10 U22.62
PIN356: JP155.11 U22.61
PIN357: JP152.19 U22.60
PIN358: JP152.6 U22.45
PIN359: JP152.5 U22.44
PIN360: JP152.4 U22.43
PIN361: JP152.3 U22.42
PIN362: JP152.16 U22.55
PIN363: JP152.15 U22.54
PIN364: JP152.14 U22.53
PIN365: JP152.12 U22.51
PIN366: JP152.11 U22.50
PIN367: JP152.10 U22.49
PIN368: JP152.7 U22.46
PIN369: JP172.2 U25.32
PIN370: JP172.1 U25.31
PIN371: JP172.13 U25.52
PIN372: JP171.2 U25.29
PIN373: JP171.5 U25.24
PIN374: JP171.6 U25.23
PIN375: JP171.8 U25.21
PIN376: JP171.16 U25.11
PIN377: JP171.15 U25.12
PIN378: JP171.14 U25.13
PIN379: JP171.13 U25.14
PIN380: JP171.12 U25.15
PIN381: JP171.11 U25.16
PIN382: JP172.9 U25.48
PIN383: JP175.1 U25.8
PIN384: JP175.2 U25.6
PIN385: JP175.3 U25.5
PIN386: JP175.4 U25.4
PIN387: JP171.10 U25.17
PIN388: JP171.9 U25.18
PIN389: JP171.7 U25.22
PIN390: JP171.4 U25.27
PIN391: JP171.3 U25.28
PIN392: JP171.1 U25.30
PIN393: JP172.8 U25.47
PIN394: JP172.18 U25.59
PIN395: JP172.17 U25.58
PIN396: JP175.5 U25.3
PIN397: JP175.6 U25.2
PIN398: JP175.7 U25.1
PIN399: JP175.8 U25.64
PIN400: JP175.9 U25.63
PIN401: JP175.10 U25.62
PIN402: JP175.11 U25.61
PIN403: JP172.19 U25.60
PIN404: JP172.6 U25.45
PIN405: JP172.5 U25.44
PIN406: JP172.4 U25.43
PIN407: JP172.3 U25.42
PIN408: JP172.16 U25.55
PIN409: JP172.15 U25.54
PIN410: JP172.14 U25.53
PIN411: JP172.12 U25.51
PIN412: JP172.11 U25.50
PIN413: JP172.10 U25.49
PIN414: JP172.7 U25.46
PIN415: JP192.2 U28.32
PIN416: JP192.1 U28.31
PIN417: JP192.13 U28.52
PIN418: JP191.2 U28.29
PIN419: JP191.5 U28.24
PIN420: JP191.6 U28.23
PIN421: JP191.8 U28.21
PIN422: JP191.16 U28.11
PIN423: JP191.15 U28.12
PIN424: JP191.14 U28.13
PIN425: JP191.13 U28.14
PIN426: JP191.12 U28.15
PIN427: JP191.11 U28.16
PIN428: JP192.9 U28.48
PIN429: JP195.1 U28.8
PIN430: JP195.2 U28.6
PIN431: JP195.3 U28.5
PIN432: JP195.4 U28.4
PIN433: JP191.10 U28.17
PIN434: JP191.9 U28.18
PIN435: JP191.7 U28.22
PIN436: JP191.4 U28.27
PIN437: JP191.3 U28.28
PIN438: JP191.1 U28.30
PIN439: JP192.8 U28.47
PIN440: JP192.18 U28.59
PIN441: JP192.17 U28.58
PIN442: JP195.5 U28.3
PIN443: JP195.6 U28.2
PIN444: JP195.7 U28.1
PIN445: JP195.8 U28.64
PIN446: JP195.9 U28.63
PIN447: JP195.10 U28.62
PIN448: JP195.11 U28.61